# KiCad board Farallon EtherMac LC Comm Slot Card 10Base-T v1.1.kicad_pcb
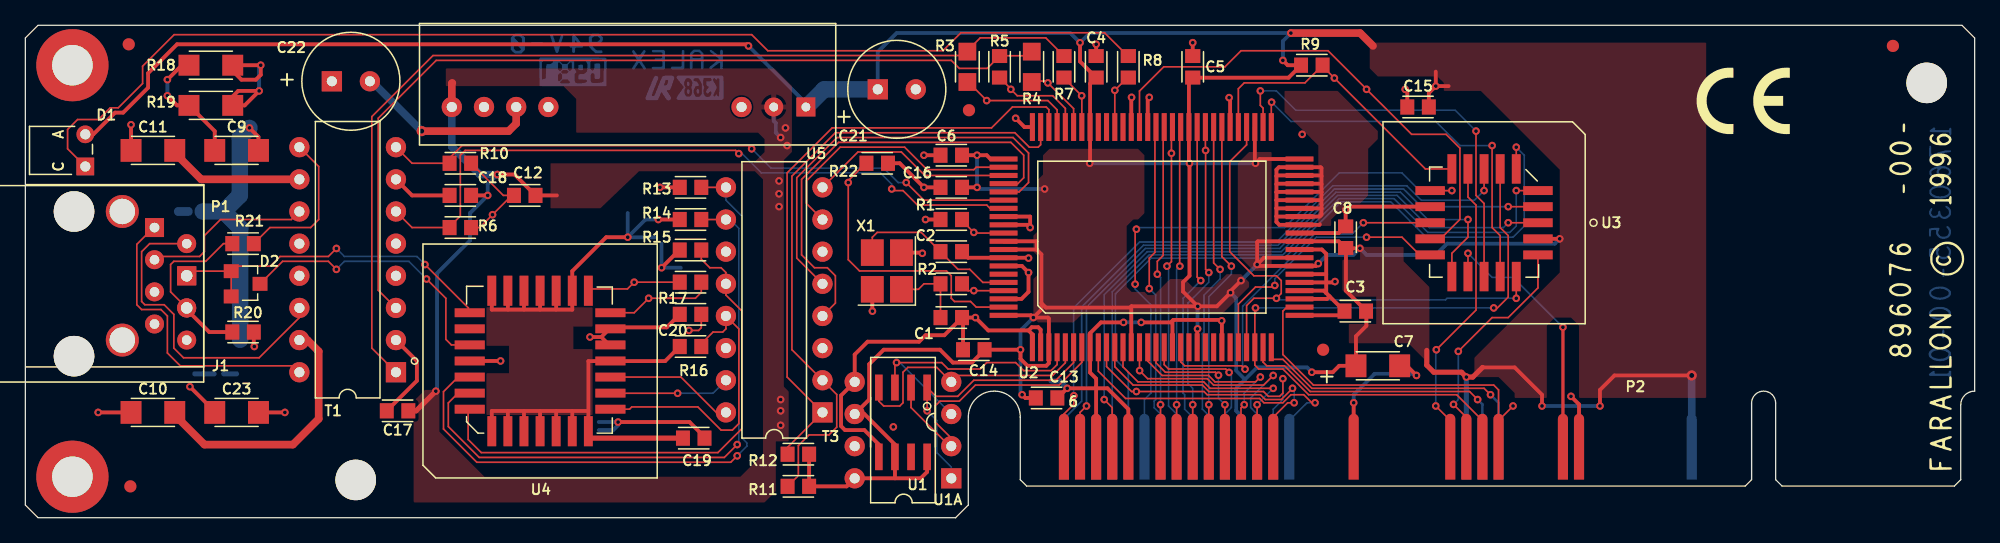
[diagram p0: board, top side]
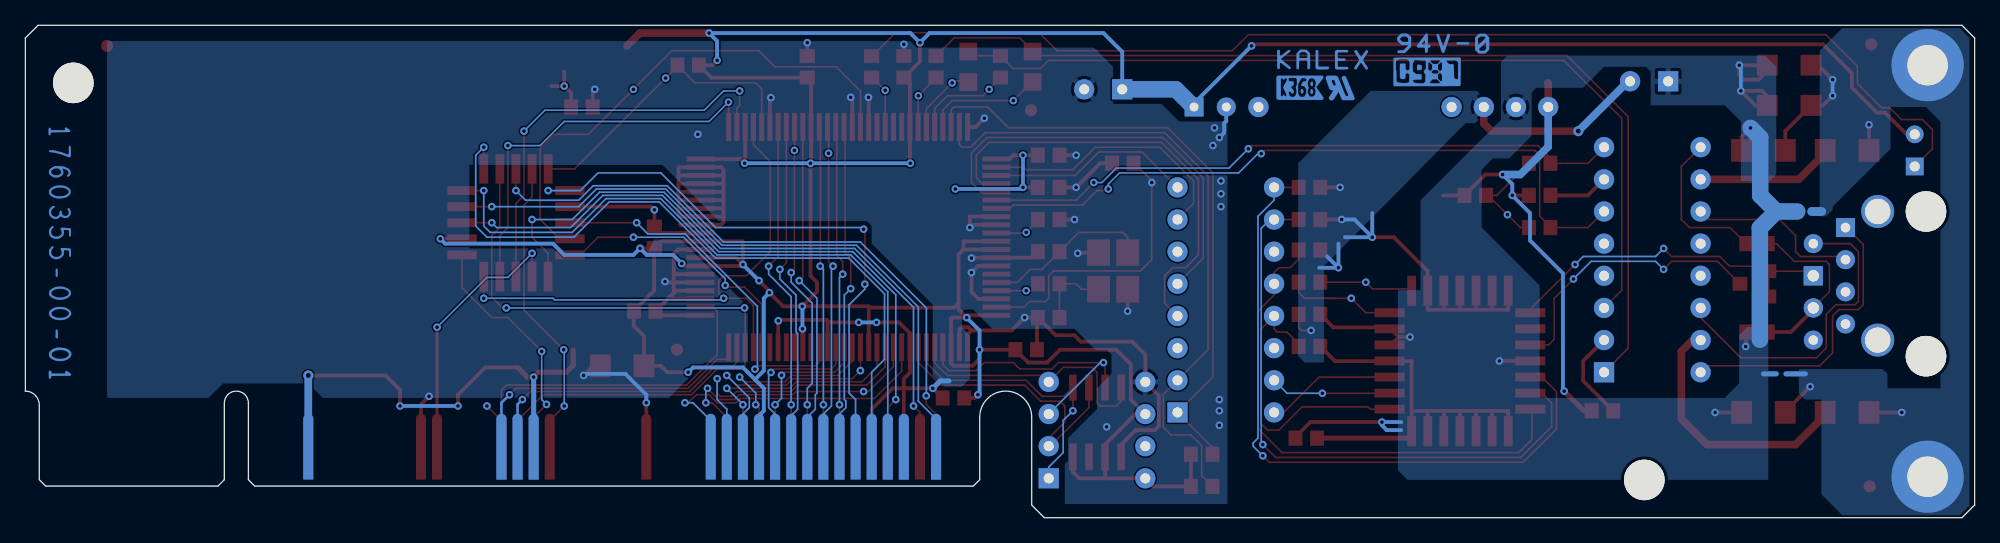
[diagram p1: board, bottom side, seen from below]

Outline 153.8 x 38.9 mm; copper layers: Top, Bottom. Coordinates in mm from the lower left corner of the outline.
Outline path: 0,37.9 0,1 1,0 73.4,0 74.4,1 74.4,7.95 arc(76.45,10) 78.5,7.95 78.5,3 79,2.5 135.7,2.5 136.2,3 136.2,9.05 arc(137.15,10) 138.1,9.05 138.1,3 138.6,2.5 152.2,2.5 152.7,3 152.7,8.9 arc(153.02,9.68) 153.8,10 153.8,37.9 152.8,38.9 1,38.9 0,37.9
Stack: Top 0.035mm / dielectric 1.51mm FR4 er 4.5 / Bottom 0.035mm

## Placement (name value [footprint] x y rotation side)
C1  22pf  [Farallon_C_0603_1608Metric_Pad1.10x1.20mm_HandSolder]  73.06 15.81 0 top
C2  22pf  [Farallon_C_0603_1608Metric_Pad1.10x1.20mm_HandSolder]  73.06 21.02 180 top
C3  0.1uf  [Farallon_C_0603_1608Metric_Pad1.10x1.20mm_HandSolder]  104.93 16.32 0 top
C4  0.1uf  [Farallon_C_0603_1608Metric_Pad1.10x1.20mm_HandSolder]  84.49 35.62 270 top
C5  0.1uf  [Farallon_C_0603_1608Metric_Pad1.10x1.20mm_HandSolder]  92.11 35.62 270 top
C6  0.1uf  [Farallon_C_0603_1608Metric_Pad1.10x1.20mm_HandSolder]  73.06 28.64 0 top
C7  100uf 6.3V  [Farallon_C_1206_3216Metric_Pad1.65x1.80mm_HandSolder]  106.71 12 0 top
C8  0.1uf  [Farallon_C_0603_1608Metric_Pad1.10x1.20mm_HandSolder]  104.17 22.16 270 top
C9  1nf 2kv  [Farallon_C_1206_3216Metric_Pad1.65x1.80mm_HandSolder]  16.67 29.02 0 top
C10  1nf 2kv  [Farallon_C_1206_3216Metric_Pad1.65x1.80mm_HandSolder]  10.06 8.32 0 top
C11  1nf 2kv  [Farallon_C_1206_3216Metric_Pad1.65x1.80mm_HandSolder]  10.06 29.02 0 top
C12  0.1uf  [Farallon_C_0603_1608Metric_Pad1.10x1.20mm_HandSolder]  39.4 25.46 0 top
C13  0.1uf  [Farallon_C_0603_1608Metric_Pad1.10x1.20mm_HandSolder]  80.58 9.46 0 top
C14  0.1uf  [Farallon_C_0603_1608Metric_Pad1.10x1.20mm_HandSolder]  74.83 13.27 0 top
C15  0.1uf  [Farallon_C_0603_1608Metric_Pad1.10x1.20mm_HandSolder]  109.89 32.45 0 top
C16  0.1uf  [Farallon_C_0603_1608Metric_Pad1.10x1.20mm_HandSolder]  73.06 26.1 0 top
C17  0.1uf  [Farallon_C_0603_1608Metric_Pad1.10x1.20mm_HandSolder]  29.37 8.44 0 top
C18  0.1uf  [Farallon_C_0603_1608Metric_Pad1.10x1.20mm_HandSolder]  34.32 25.46 0 top
C19  ?  [Farallon_C_0603_1608Metric_Pad1.10x1.20mm_HandSolder]  52.74 6.28 0 top  (not fitted)
C20  ?  [Farallon_C_0603_1608Metric_Pad1.10x1.20mm_HandSolder]  52.48 16.06 0 top  (not fitted)
C21  ?  [Farallon_CP_Radial_D7.5mm_P3.0mm]  67.51 33.84 0 top  (not fitted)
C22  ?  [Farallon_CP_Radial_D7.5mm_P3.0mm]  24.43 34.48 0 top  (not fitted)
C23  1nf 2kv  [Farallon_C_1206_3216Metric_Pad1.65x1.80mm_HandSolder]  16.67 8.32 0 top
D1  HV-31210/230/SYG-U1930  [LED_HV-31210-230-SYG-U1930]  4.73 30.29 270 top
D2  MMBD4148CA  [Farallon_SOT-23]  17.43 18.48 0 top  (not fitted)
G***  LOGO  [CE_Logo]  135.54 32.93 0 top
G***#2  LOGO  [Farallon_EtherMac_LC_Comm_Card_Back_Number]  151.03 20.89 90 top
G***#3  LOGO  [Farallon_EtherMac_LC_Comm_Card_Front_Text]  150.02 17.46 90 top
G***#4  LOGO  [Farallon_EtherMac_LC_Comm_Card_KALEX_Logo]  46.69 35.62 180 bottom
H1  MountingHole_Pad  [MountingHole_3.2mm_M3_ISO7380_Pad_TopBottom]  3.71 35.75 0 top
H2  MountingHole_Pad  [MountingHole_3.2mm_M3_ISO7380_Pad_TopBottom]  3.71 3.24 0 top
J1  5555164-1  [Farallon_RJ45_BNC_Amphenol_54602-x08_Horizontal]  10.19 22.92 270 top
P1  Conn_Coaxial  [Farallon_BNC_Adam-Tech_RF1-01A-D-00-75-M_Horizontal]  12.73 19.11 90 top  (not fitted)
P2  Comm Slot 1  [Farallon_EtherMac_LC_Comm_Card_BUS_Apple_Macintosh_Comm_Slot_I]  118.7 5.51 0 top
R1  22.1k  [Farallon_R_0603_1608Metric_Pad1.10x1.20mm_HandSolder]  73.06 23.56 0 top
R2  243  [Farallon_R_0603_1608Metric_Pad1.10x1.20mm_HandSolder]  73.06 18.48 0 top
R3  61.9  [Farallon_R_0805_2012Metric_Pad1.40x1.40mm_HandSolder]  74.33 35.62 270 top
R4  61.9  [Farallon_R_0805_2012Metric_Pad1.40x1.40mm_HandSolder]  79.41 35.62 270 top
R5  243  [Farallon_R_0603_1608Metric_Pad1.10x1.20mm_HandSolder]  76.87 35.62 270 top
R6  50  [Farallon_R_0603_1608Metric_Pad1.10x1.20mm_HandSolder]  34.32 22.92 0 top
R7  243  [Farallon_R_0603_1608Metric_Pad1.10x1.20mm_HandSolder]  81.95 35.62 90 top
R8  243  [Farallon_R_0603_1608Metric_Pad1.10x1.20mm_HandSolder]  87.03 35.62 90 top
R9  243  [Farallon_R_0603_1608Metric_Pad1.10x1.20mm_HandSolder]  101.5 35.75 180 top
R10  50  [Farallon_R_0603_1608Metric_Pad1.10x1.20mm_HandSolder]  34.32 28 0 top
R11  ?  [Farallon_R_0603_1608Metric_Pad1.10x1.20mm_HandSolder]  60.99 2.47 0 top  (not fitted)
R12  ?  [Farallon_R_0603_1608Metric_Pad1.10x1.20mm_HandSolder]  60.99 5.01 0 top  (not fitted)
R13  510  [Farallon_R_0603_1608Metric_Pad1.10x1.20mm_HandSolder]  52.48 26.1 0 top  (not fitted)
R14  510  [Farallon_R_0603_1608Metric_Pad1.10x1.20mm_HandSolder]  52.48 23.56 0 top  (not fitted)
R15  510  [Farallon_R_0603_1608Metric_Pad1.10x1.20mm_HandSolder]  52.48 21.14 0 top  (not fitted)
R16  510  [Farallon_R_0603_1608Metric_Pad1.10x1.20mm_HandSolder]  52.48 13.52 0 top  (not fitted)
R17  1K 1%  [Farallon_R_0603_1608Metric_Pad1.10x1.20mm_HandSolder]  52.48 18.6 0 top  (not fitted)
R18  ?  [Farallon_R_1206_3216Metric_Pad1.65x1.65mm_HandSolder]  14.64 35.75 0 top  (not fitted)
R19  ?  [Farallon_R_1206_3216Metric_Pad1.65x1.65mm_HandSolder]  14.64 32.57 0 top  (not fitted)
R20  0  [Farallon_R_0603_1608Metric_Pad1.10x1.20mm_HandSolder]  17.18 14.67 0 top  (not fitted)
R21  0  [Farallon_R_0603_1608Metric_Pad1.10x1.20mm_HandSolder]  17.18 21.65 0 top
R22  0  [Farallon_R_0603_1608Metric_Pad1.10x1.20mm_HandSolder]  67.21 28 0 top
REF**  -  [MountingHole_3.2mm_M3]  26.07 2.98 0 top
REF**#2  -  [MountingHole_3.2mm_M3]  150.02 34.35 0 top
T1  LANF7236  [Farallon_DIP-16_W7.62mm]  29.24 11.49 180 top
T3  TD01-1006KRL  [Farallon_DIP-16_W7.62mm]  62.9 8.32 180 top  (not fitted)
U1  93C46C  [Farallon_SOIC-8_3.9x4.9mm_P1.27mm]  69.25 7.55 270 top
U1A1  93C46C  [Farallon_DIP-8_W7.62mm]  73.06 3.11 180 top
U2  SMC91C94QFP  [PQFP-100_14x20mm_P0.65mm_LongPad]  88.88 22.16 90 top
U3  GAL16V8  [Farallon_PLCC-20_SMD-Socket]  115.09 23.3 270 top
U4  CYB8392  [Farallon_PLCC-28_SMD-Socket]  40.61 12.38 90 top  (not fitted)
U5  AM3F-0509SZ  [Farallon_Converter_DCDC_Aimtec_AM3F-Z_THT]  61.59 32.45 270 top  (not fitted)
X1  20Mhz 16pf  [Crystal_SMD_3225-4Pin_3.2x2.5mm_HandSoldering]  67.98 19.49 90 top

## Library data of the parts
C1 C2 = -: LCSC: C1653; ki_fp_filters: C_*
C3-C6 C8 C12-C18 = -: LCSC: C14663; ki_fp_filters: C_*
C7 = -: LCSC: C15008; ki_fp_filters: CP_*
C9 C23 = -: Description: Unpolarized capacitor; Sim.Enable: 0
C10 C11 = -: LCSC: C9196; ki_fp_filters: C_*
C19 C20 = -: ki_fp_filters: C_*
C21 C22 = -: ki_fp_filters: CP_*
D1 = -: LCSC: C473838; Field5: https://mm.digikey.com/Volume0/opasdata/d220001/medias/docus/3798/HV-31210-230-SYG-U1930.pdf; ki_fp_filters: LED* LED_SMD:* LED_THT:*
D2 = -: Datasheet: https://www.taiwansemi.com/assets/uploads/datasheet/MMBD4148%20SERIES_F2112.pdf; ki_fp_filters: SOT?23*
H1 H2 = -: ki_fp_filters: MountingHole*Pad*
J1 = -: Datasheet: https://www.te.com/commerce/DocumentDelivery/DDEController?Action=showdoc&DocId=Customer+Drawing%7F5555164%7FB1%7Fpdf%7FEnglish%7FENG_CD_5555164_B1.pdf%7F5555164-1; LCSC: C2916457; ki_fp_filters: 8P8C* RJ31* RJ32* RJ33* RJ34* RJ35* RJ41* RJ45* RJ49* RJ61*
P1 = -: ki_fp_filters: *BNC* *SMA* *SMB* *SMC* *Cinch* *LEMO*
P2 = -: ki_fp_filters: LQFP*14x14mm*P0.5mm*
R1 = -: LCSC: C25961; ki_fp_filters: R_*
R2 R5 R7-R9 = -: LCSC: C706060; ki_fp_filters: R_*
R3 R4 = -: LCSC: C322537; ki_fp_filters: R_*
R6 R10 = -: LCSC: C23185; ki_fp_filters: R_*
R11 R12 R18 R19 = -: ki_fp_filters: R_*
R13-R16 = -: JLCPCB: C23193; LCSC: C23193; ki_fp_filters: R_*
R17 = -: JLCPCB: C21190; LCSC: C21190; ki_fp_filters: R_*
R20 = -: JLCPCB: C21189; LCSC: C21189; ki_fp_filters: R_*
R21 R22 = -: LCSC: C21189; ki_fp_filters: R_*
T1 = -: Description: Ethernet LAN 10/100 Base-Tx Transformer; LCSC: C408876; ki_fp_filters: Transformer*Ethernet*Bourns*PT61017PEL*
T3 = -: Datasheet: https://www.haloelectronics.com/pdf/discrete-dil-aui.pdf; ki_fp_filters: Transformer*Ethernet*HALO*TG111*
U1 = -: Description: Serial EEPROM, 93 Series, with ORG Pin, 5.0V, DIP-8/SOIC-8
U1A1 = -: Datasheet: http://ww1.microchip.com/downloads/en/DeviceDoc/20001749K.pdf; LCSC: C5289485; ki_fp_filters: DIP*W7.62mm* SOIC*3.9x4.9mm*
U2 = -: Datasheet: https://www.datasheets360.com/pdf/8063401169153099823; ki_fp_filters: LQFP*14x14mm*P0.5mm*
U3 = -: LCSC: C6548184; ki_fp_filters: DIP* PDIP* SOIC* SO* PLCC*
U4 = -: Datasheet: https://www.digchip.com/datasheets/download_datasheet.php?id=251035&part-number=CY7B8392-JCT; Description: Ethernet Coax Transceiver Interface, PLCC-28; ki_fp_filters: PLCC*
U5 = -: Datasheet: http://www.aimtec.com/site/Aimtec/files/Datasheet/HighResolution/AM3F-Z.pdf; ki_fp_filters: *XP?POWER*ISU02*SMD*
X1 = -: LCSC: C2848211; ki_fp_filters: Crystal*

## Footprints (pads in the part's own frame, mm; a bottom-side part is the same pattern mirrored in y, then rotated)
Crystal_SMD_3225-4Pin_3.2x2.5mm_HandSoldering
  rect 2.1x1.8 smd: 1(-1.45,-1.15) 2(1.45,-1.15) 3(1.45,1.15) 4(-1.45,1.15)
Farallon_BNC_Adam-Tech_RF1-01A-D-00-75-M_Horizontal
  round 2.6 hole 2.01: (-5.08,5.08) (5.08,5.08)
  rect 1.5x1.5 hole 0.89: 1(0,0)
  round 1.5 hole 0.89: 2(-2.54,0)
Farallon_C_0603_1608Metric_Pad1.10x1.20mm_HandSolder
  rect 1.1x1.2 smd: 1(-0.85,0) 2(0.85,0)
Farallon_C_1206_3216Metric_Pad1.65x1.80mm_HandSolder
  rect 1.65x1.8 smd: 1(-1.725,0) 2(1.725,0)
Farallon_Converter_DCDC_Aimtec_AM3F-Z_THT
  rect 1.5x1.5 hole 0.7: 1(0,0)
  oval 1.5x1.5 hole 0.7: 2(0,-2.54)
  round 1.6 hole 0.8: 3(0,-5.08) 9(0,-20.32) 10(0,-22.86) 11(0,-25.4) 12(0,-27.94)
Farallon_CP_Radial_D7.5mm_P3.0mm
  rect 1.6x1.6 hole 0.8: 1(-0.25,0)
  round 1.6 hole 0.8: 2(2.75,0)
Farallon_DIP-8_W7.62mm
  rect 1.6x1.6 hole 0.8: 1(0,0)
  oval 1.6x1.6 hole 0.8: 2(0,-2.54) 3(0,-5.08) 4(0,-7.62) 5(7.62,-7.62) 6(7.62,-5.08) 7(7.62,-2.54) 8(7.62,0)
Farallon_DIP-16_W7.62mm
  rect 1.6x1.6 hole 0.8: 1(0,0)
  oval 1.6x1.6 hole 0.8: 2(0,-2.54) 3(0,-5.08) 4(0,-7.62) 5(0,-10.16) 6(0,-12.7) 7(0,-15.24) 8(0,-17.78) 9(7.62,-17.78) 10(7.62,-15.24) 11(7.62,-12.7) 12(7.62,-10.16) 13(7.62,-7.62) 14(7.62,-5.08) 15(7.62,-2.54) 16(7.62,0)
Farallon_EtherMac_LC_Comm_Card_BUS_Apple_Macintosh_Comm_Slot_I
  rrect 0.8x5.2 smd far side: 5(-36.755,0.1) 9(-34.215,0.1) 11(-32.945,0.1) 13(-31.675,0.1) 15(-30.405,0.1) 17(-29.135,0.1) 19(-27.865,0.1) 21(-26.595,0.1) 23(-25.325,0.1) 25(-24.055,0.1) 27(-22.785,0.1) 29(-21.515,0.1) 31(-20.245,0.1) 33(-18.975,0.1) 55(-5.005,0.1) 57(-3.735,0.1) 59(-2.465,0.1) 83(12.775,0.1)
  rrect 0.8x5.2 smd: 6(-36.755,0.1) 8(-35.485,0.1) 10(-34.215,0.1) 12(-32.945,0.1) 14(-31.675,0.1) 18(-29.135,0.1) 20(-27.865,0.1) 22(-26.595,0.1) 24(-25.325,0.1) 26(-24.055,0.1) 28(-22.785,0.1) 30(-21.515,0.1) 32(-20.245,0.1) 42(-13.895,0.1) 54(-6.275,0.1) 56(-5.005,0.1) 58(-3.735,0.1) 60(-2.465,0.1) 68(2.615,0.1) 70(3.885,0.1)
Farallon_PLCC-20_SMD-Socket
  rect 0.7x2.325 smd: 1(0,4.253) 2(-1.27,4.253) 3(-2.54,4.253) 9(-2.54,-4.253) 10(-1.27,-4.253) 11(0,-4.253) 12(1.27,-4.253) 13(2.54,-4.253) 19(2.54,4.253) 20(1.27,4.253)
  rect 2.325x0.7 smd: 4(-4.253,2.54) 5(-4.253,1.27) 6(-4.253,0) 7(-4.253,-1.27) 8(-4.253,-2.54) 14(4.253,-2.54) 15(4.253,-1.27) 16(4.253,0) 17(4.253,1.27) 18(4.253,2.54)
Farallon_PLCC-28_SMD-Socket
  rect 0.7x2.379 smd: 1(0,5.55) 2(-1.27,5.55) 3(-2.54,5.55) 4(-3.81,5.55) 12(-3.81,-5.55) 13(-2.54,-5.55) 14(-1.27,-5.55) 15(0,-5.55) 16(1.27,-5.55) 17(2.54,-5.55) 18(3.81,-5.55) 26(3.81,5.55) 27(2.54,5.55) 28(1.27,5.55)
  rect 2.379x0.7 smd: 5(-5.55,3.81) 6(-5.55,2.54) 7(-5.55,1.27) 8(-5.55,0) 9(-5.55,-1.27) 10(-5.55,-2.54) 11(-5.55,-3.81) 19(5.55,-3.81) 20(5.55,-2.54) 21(5.55,-1.27) 22(5.55,0) 23(5.55,1.27) 24(5.55,2.54) 25(5.55,3.81)
Farallon_R_0603_1608Metric_Pad1.10x1.20mm_HandSolder
  rect 1.1x1.2 smd: 1(-0.85,0) 2(0.85,0)
Farallon_R_0805_2012Metric_Pad1.40x1.40mm_HandSolder
  rect 1.4x1.4 smd: 1(-1.2,0) 2(1.2,0)
Farallon_R_1206_3216Metric_Pad1.65x1.65mm_HandSolder
  rect 1.65x1.65 smd: 1(-1.725,0) 2(1.725,0)
Farallon_RJ45_BNC_Amphenol_54602-x08_Horizontal
  round 3.2 hole 3.2 unplated: (-1.27,-6.35) (10.16,-6.35)
  rect 1.5x1.5 hole 0.76: 1(0,0)
  round 1.5 hole 0.76: 2(1.27,2.54) 3(2.54,0) 5(5.08,0) 7(7.62,0) 8(8.89,2.54)
  rect 1.5x1.5 hole 0.89: 4(3.81,2.54)
  round 1.5 hole 0.89: 6(6.35,2.54)
Farallon_SOIC-8_3.9x4.9mm_P1.27mm
  rect 2.05x0.6 smd: 1(-2.725,1.905) 2(-2.725,0.635) 3(-2.725,-0.635) 4(-2.725,-1.905)
  rect 2.1x0.6 smd: 5(2.75,-1.905) 6(2.75,-0.635) 7(2.75,0.635) 8(2.75,1.905)
Farallon_SOT-23
  rect 1.175x1.1 smd: 1(-1.188,1) 2(-1.188,-1) 3(1.087,0)
LED_HV-31210-230-SYG-U1930
  rect 1.4x1.4 hole 0.8: 1(2.54,0)
  round 1.4 hole 0.8: 2(0,0)
MountingHole_3.2mm_M3
  round 3.2 hole 3.2 unplated: (0,0)
MountingHole_3.2mm_M3_ISO7380_Pad_TopBottom
  round 3.6 hole 3.2: 1(0,0)
  round 5.7 smd: 1(0,0)
  round 5.7 smd far side: 1(0,0)
PQFP-100_14x20mm_P0.65mm_LongPad
  rect 2.2x0.4 smd: 1(-8.7,9.425) 2(-8.7,8.775) 3(-8.7,8.125) 4(-8.7,7.475) 5(-8.7,6.825) 6(-8.7,6.175) 7(-8.7,5.525) 8(-8.7,4.875) 9(-8.7,4.225) 10(-8.7,3.575) 11(-8.7,2.925) 12(-8.7,2.275) 13(-8.7,1.625) 14(-8.7,0.975) 15(-8.7,0.325) 16(-8.7,-0.325) 17(-8.7,-0.975) 18(-8.7,-1.625) 19(-8.7,-2.275) 20(-8.7,-2.925) 21(-8.7,-3.575) 22(-8.7,-4.225) 23(-8.7,-4.875) 24(-8.7,-5.525) 25(-8.7,-6.175) 26(-8.7,-6.825) 27(-8.7,-7.475) 28(-8.7,-8.125) 29(-8.7,-8.775) 30(-8.7,-9.425) 51(8.7,-9.425) 52(8.7,-8.775) 53(8.7,-8.125) 54(8.7,-7.475) 55(8.7,-6.825) 56(8.7,-6.175) 57(8.7,-5.525) 58(8.7,-4.875) 59(8.7,-4.225) 60(8.7,-3.575) 61(8.7,-2.925) 62(8.7,-2.275) 63(8.7,-1.625) 64(8.7,-0.975) 65(8.7,-0.325) 66(8.7,0.325) 67(8.7,0.975) 68(8.7,1.625) 69(8.7,2.275) 70(8.7,2.925) 71(8.7,3.575) 72(8.7,4.225) 73(8.7,4.875) 74(8.7,5.525) 75(8.7,6.175) 76(8.7,6.825) 77(8.7,7.475) 78(8.7,8.125) 79(8.7,8.775) 80(8.7,9.425)
  rect 0.4x2.2 smd: 31(-6.175,-11.65) 32(-5.525,-11.65) 33(-4.875,-11.65) 34(-4.225,-11.65) 35(-3.575,-11.65) 36(-2.925,-11.65) 37(-2.275,-11.65) 38(-1.625,-11.65) 39(-0.975,-11.65) 40(-0.325,-11.65) 41(0.325,-11.65) 42(0.975,-11.65) 43(1.625,-11.65) 44(2.275,-11.65) 45(2.925,-11.65) 46(3.575,-11.65) 47(4.225,-11.65) 48(4.875,-11.65) 49(5.525,-11.65) 50(6.175,-11.65) 81(6.175,11.7) 82(5.525,11.7) 83(4.875,11.7) 84(4.225,11.7) 85(3.575,11.7) 86(2.925,11.7) 87(2.275,11.7) 88(1.625,11.7) 89(0.975,11.7) 90(0.325,11.7) 91(-0.325,11.7) 92(-0.975,11.7) 93(-1.625,11.7) 94(-2.275,11.7) 95(-2.925,11.7) 96(-3.575,11.7) 97(-4.225,11.7) 98(-4.875,11.7) 99(-5.525,11.7) 100(-6.175,11.7)

## Nets
+5V: C3.2 C4.2 C5.2 C6.2 C7.1 C8.2 C13.1 C14.2 C15.2 C16.2 C21.1 D1.2 P2.27 P2.55 P2.83 R9.2 R11.2 R12.2 U1.6 U1.8 U1A1.6 U1A1.8 U2.3 U2.13 U2.21 U2.37 U2.38 U2.40 U2.50 U2.53 U2.61 U2.73 U2.81 U2.91 U2.92 U2.100 U3.20 U5.1
+9V: C9.2 C19.2 C20.1 C22.1 C23.2 R18.2 R19.2 R20.2 U4.1 U4.16 U4.17 U5.11
/RX-/+9V: J1.6 P1.2 R20.1 R21.1
GND: C1.2 C2.1 C3.1 C4.1 C5.1 C6.1 C7.2 C8.1 C12.2 C13.2 C14.1 C15.1 C16.1 C17.2 C18.2 C21.2 P2.10 P2.14 P2.42 P2.70 R1.1 R22.1 R22.2 U1.5 U1A1.5 U2.1 U2.2 U2.8 U2.18 U2.24 U2.31 U2.33 U2.34 U2.35 U2.36 U2.39 U2.41 U2.42 U2.43 U2.44 U2.45 U2.46 U2.47 U2.48 U2.49 U2.56 U2.66 U2.68 U2.80 U2.88 U2.89 U2.93 U2.94 U2.98 U2.99 U3.10 U5.2 U5.12 X1.2 X1.4
VEE: C19.1 C20.2 C22.2 R13.1 R14.1 R15.1 R16.1 U4.5 U4.6 U4.7 U4.8 U4.9 U4.10 U4.11 U4.15 U4.20 U4.21 U4.22 U4.23 U4.24 U4.25 U5.10
//DS: P2.6 U3.6
//DSACK1: P2.8 U3.14
//IO.CS.DSACL: P2.54 U3.7
//RESET: P2.15 U3.9
//SACTO.IRQ: P2.56 U3.19
/A0: P2.58 U2.28 U3.5
/A1: P2.57 U2.29
/A2: P2.59 U2.30
/A3: P2.60 U2.32
/A11c: P2.68 U3.15
/BALE/nWE: U2.27 U2.54 U3.18
/C16M: P2.12 U3.1
/CD+c: R13.2 T3.9 U4.2
/CD-c: R14.2 T3.10 U4.3
/COLN: T3.7 U2.82
/COLP: T3.8 U2.83
/D0: P2.24 U2.57
/D1: P2.23 U2.58
/D2: P2.22 U2.59
/D3: P2.21 U2.60
/D4: P2.20 U2.62
/D5: P2.19 U2.63
/D6: P2.18 U2.64
/D7: P2.17 U2.65
/D8: P2.33 U2.9
/D9: P2.32 U2.10
/D10: P2.31 U2.11
/D11: P2.30 U2.12
/D12: P2.29 U2.14
/D13: P2.28 U2.15
/D14: P2.26 U2.16
/D15: P2.25 U2.17
/EECS: U1.1 U1A1.1 U2.6
/EED0: U1.3 U1A1.3 U2.4
/EEDI: U1.4 U1A1.4 U2.5
/EESK: U1.2 U1A1.2 U2.7
/INTR0: U2.19 U3.11
/IOSIZE(0): P2.11 U3.3
/IOSIZE(1): P2.13 U3.4
/LEDG: D1.1 R8.2
/nIORD: U2.51 U3.17
/nIOWR: U2.52 U3.16
/nLNKLED: R8.1 U2.70
/nSBHE/nCE2: U2.26 U3.13
/nWAIT: R9.1 U2.55 U3.8
/RCT: C11.2 T1.10
/RD+: R6.1 T1.6 U2.87
/RD-: R10.1 T1.8 U2.86
/RECN: T3.4 U2.84
/RECP: T3.5 U2.85
/RESET: U2.67 U3.12
/RW: P2.5 U3.2
/RX+: J1.3 T1.11
/RX+c: R15.2 T3.12 U4.4
/RX-: R21.2 T1.9
/RX-c: R16.2 T3.13 U4.12
/RXIc: D2.1 D2.2 J1.4 P1.1 U4.26
/SHIELD: C9.1 C10.1 C11.1 C23.1 H1.1 H2.1 R18.1 R19.1
/TCT: C10.2 T1.15
/TD+: R3.1 R7.2 T1.1
/TD-: R4.1 R5.1 T1.3
/TX+: J1.1 T1.16
/TX+c: T3.15 U4.13
/TX-: J1.2 T1.14
/TX-c: T3.16 U4.14
/TXN/nCRS: R12.1 T3.1 U2.78
/TXOc: D2.3 U4.28
/TXP/nCOLL: R11.1 T3.2 U2.79
Net-(C1-Pad1): C1.1 R2.1 X1.1
Net-(C12-Pad1): C12.1 R6.2 R10.2
Net-(T1-C_RD): C18.1 T1.7
Net-(T1-C_TD): C17.1 T1.2
Net-(U2-RBIAS): R1.2 U2.90
Net-(U2-TPETXDN): R5.2 U2.76
Net-(U2-TPETXDP): R7.1 U2.74
Net-(U2-TPETXN): R4.2 U2.75
Net-(U2-TPETXP): R3.2 U2.77
Net-(U2-XTAL1): C2.2 U2.96 X1.3
Net-(U2-XTAL2): R2.2 U2.97
Net-(U4-RR+): R17.2 U4.18
Net-(U4-RR-): R17.1 U4.19

Pads without a net: J1 5 7 8; P2 9; T1 4 5 12 13; T3 3 6 11 14; U1 7; U1A1 7; U2 20 22 23 25 69 71 72 95; U4 27; U5 3 9

## Via types
v1: diameter 0.6, hole 0.3, Top to Bottom, 170 vias
v2: diameter 0.8, hole 0.4, Top to Bottom, 2 vias

## Routing (per net, layer and track width the routed paths; a pad name or vN(x,y) marks a point on that pad's centre or on a via; arc(x,y) is an arc through that point)
+5V: length 394.5
  Top w0.3: v1(124.24,8.82) 124.24,10.09 125.38,11.24 v2(131.48,11.24) ; U2.81 76.15,28.34 75.85,28.64 v1(75.09,28.64) C6.2 ; v1(92.5,16.7) 94.01,16.7 v1(95.09,17.78) 95.09,17.91 v1(95.92,18.73) ; v1(92.5,16.7) 87.28,16.7 ; v1(92.5,16.7) 91.34,17.86 91.34,18.6 91.85,19.11 v1(91.85,28) 91.81,28.05 91.81,34.46 92.11,34.76 99.66,34.76 R9.2 99.6,35.75 v1(99.22,36.13) ; v1(57.05,37.27) 56.93,37.4 11.97,37.4 9.68,35.11 9.68,33.97 7.71,32 7.08,32 5.36,30.29 D1.2 ; C13.1 78.9,9.46 v1(78.64,9.71) ; U1A1.8 64.8,2.47 R11.2 R12.2 ; v1(97.19,20) 97.72,20.54 U2.38 ; v1(97.19,20) 97.19,21.78 97.24,21.84 103.62,21.84 104.17,21.28 v1(105.3,21.28) ; v1(97.19,20) 97.3,19.89 U2.37 101.82,19.89 v1(102.01,20.08) ; v1(79.53,15.81) 80.68,15.81 80.76,15.73 U2.3 80.76,12.21 80.55,12 79.07,12 78.52,12.55 v1(78.52,13.27) 75.7,13.27 74.68,12.25 73.18,12.25 72.17,13.27 67.72,13.27 66.58,12.13 66.58,9.33 U1A1.6 ; v1(79.53,15.81) 79.35,15.99 U2.100 ; v1(79.53,15.81) 80.17,16.44 80.17,16.95 ; U1A1.6 66.2,8.19 68.61,5.78 68.61,3.11 ; U1A1.6 65.44,8.21 ; v1(111.28,34.1) 110.74,33.55 C15.2 ; v1(111.28,34.1) 111.28,35.24 ; v1(111.28,34.1) 112.3,34.1 ; 80.17,16.95 80.53,16.59 87.18,16.59 87.28,16.7 ; 80.17,16.95 80.17,20.81 79.79,21.19 ; 92.38,14.81 v1(92.49,14.92) 92.46,14.89 92.46,13.36 ; 79.79,21.19 79.79,21.84 U2.91 ; 79.79,21.19 U2.92 ; 87.28,16.7 87.26,16.68 87.26,13.36 ; 83.93,28.05 v1(83.98,28) 84.01,28.03 84.01,34.29 C4.2 83.22,36.04 v1(83.22,37.53) ; U1.8 71.15,3.62 70.64,3.11 65.42,3.11 ; v1(119.66,8.82) 119.66,9.71 117.51,11.87 114.97,11.87 ; v1(101.5,11.49) 103.15,11.49 103.66,12 C7.1 104.99,14.34 105.81,15.16 105.81,16.32 104.2,17.93 104.2,21.26 ; v1(121.06,22.03) U3.20 ; C16.2 v1(75.09,26.1) ; U2.53 97.01,28.05 v1(97.06,28) 97.39,28.34 U2.50
  Top w0.4: 114.97,11.87 114.2,11.11 v1(113.7,11.11) 113.31,11.49 111.13,11.49 110.57,12.05 110.57,13.22
  Top w0.6: 106.33,37.27 105.31,38.29 v1(99.85,38.29)
  Bottom w0.3: v1(121.06,22.03) 120.68,21.65 112.17,21.65 111.28,20.76 105.82,20.76 v1(105.3,21.28) 104.78,20.76 102.7,20.76 v1(102.01,20.08) ; v1(57.05,37.27) 61.59,32.74 U5.1 ; v1(79.53,15.81) 78.52,14.79 v1(78.52,13.27) 78.52,9.84 v1(78.64,9.71) ; C21.1 67.26,36.81 68.74,38.29 82.45,38.29 v1(83.22,37.53) 83.98,38.29 v1(99.85,38.29) 99.22,37.65 v1(99.22,36.13) ; 96.23,10.92 95.53,10.22 95.53,8.44 95.91,8.06 95.91,5.9 ; 96.23,10.92 97.19,11.87 101.12,11.87 v1(101.5,11.49) ; 96.23,10.92 95.53,11.62 95.53,17.33 v1(95.09,17.78) ; v1(75.09,28.64) v1(75.09,26.1) 75.21,25.97 v1(80.42,25.97) ; v1(95.92,18.73) v1(97.19,20) ; v1(92.49,14.92) 92.49,16.68 v1(92.5,16.7) ; v1(119.66,8.82) v1(124.24,8.82) ; v1(97.06,28) v1(91.85,28) v1(83.98,28)